# Altium PCB LAY-94611_B.PcbDoc (part 7 of 16)
Units mil, origin at the board's own origin, x right, y up, seen from the top; angles counter-clockwise.
Board outline 4133.86 x 2559.05 mil, 10 copper layers (TOP, GND02, ART03, PWR04, PWR05, ART06, GND7, ART08, GND09, BOTTOM), stack 57.82 mil thick; 1104 components, 727 nets, 3774 pads, 1630 vias.
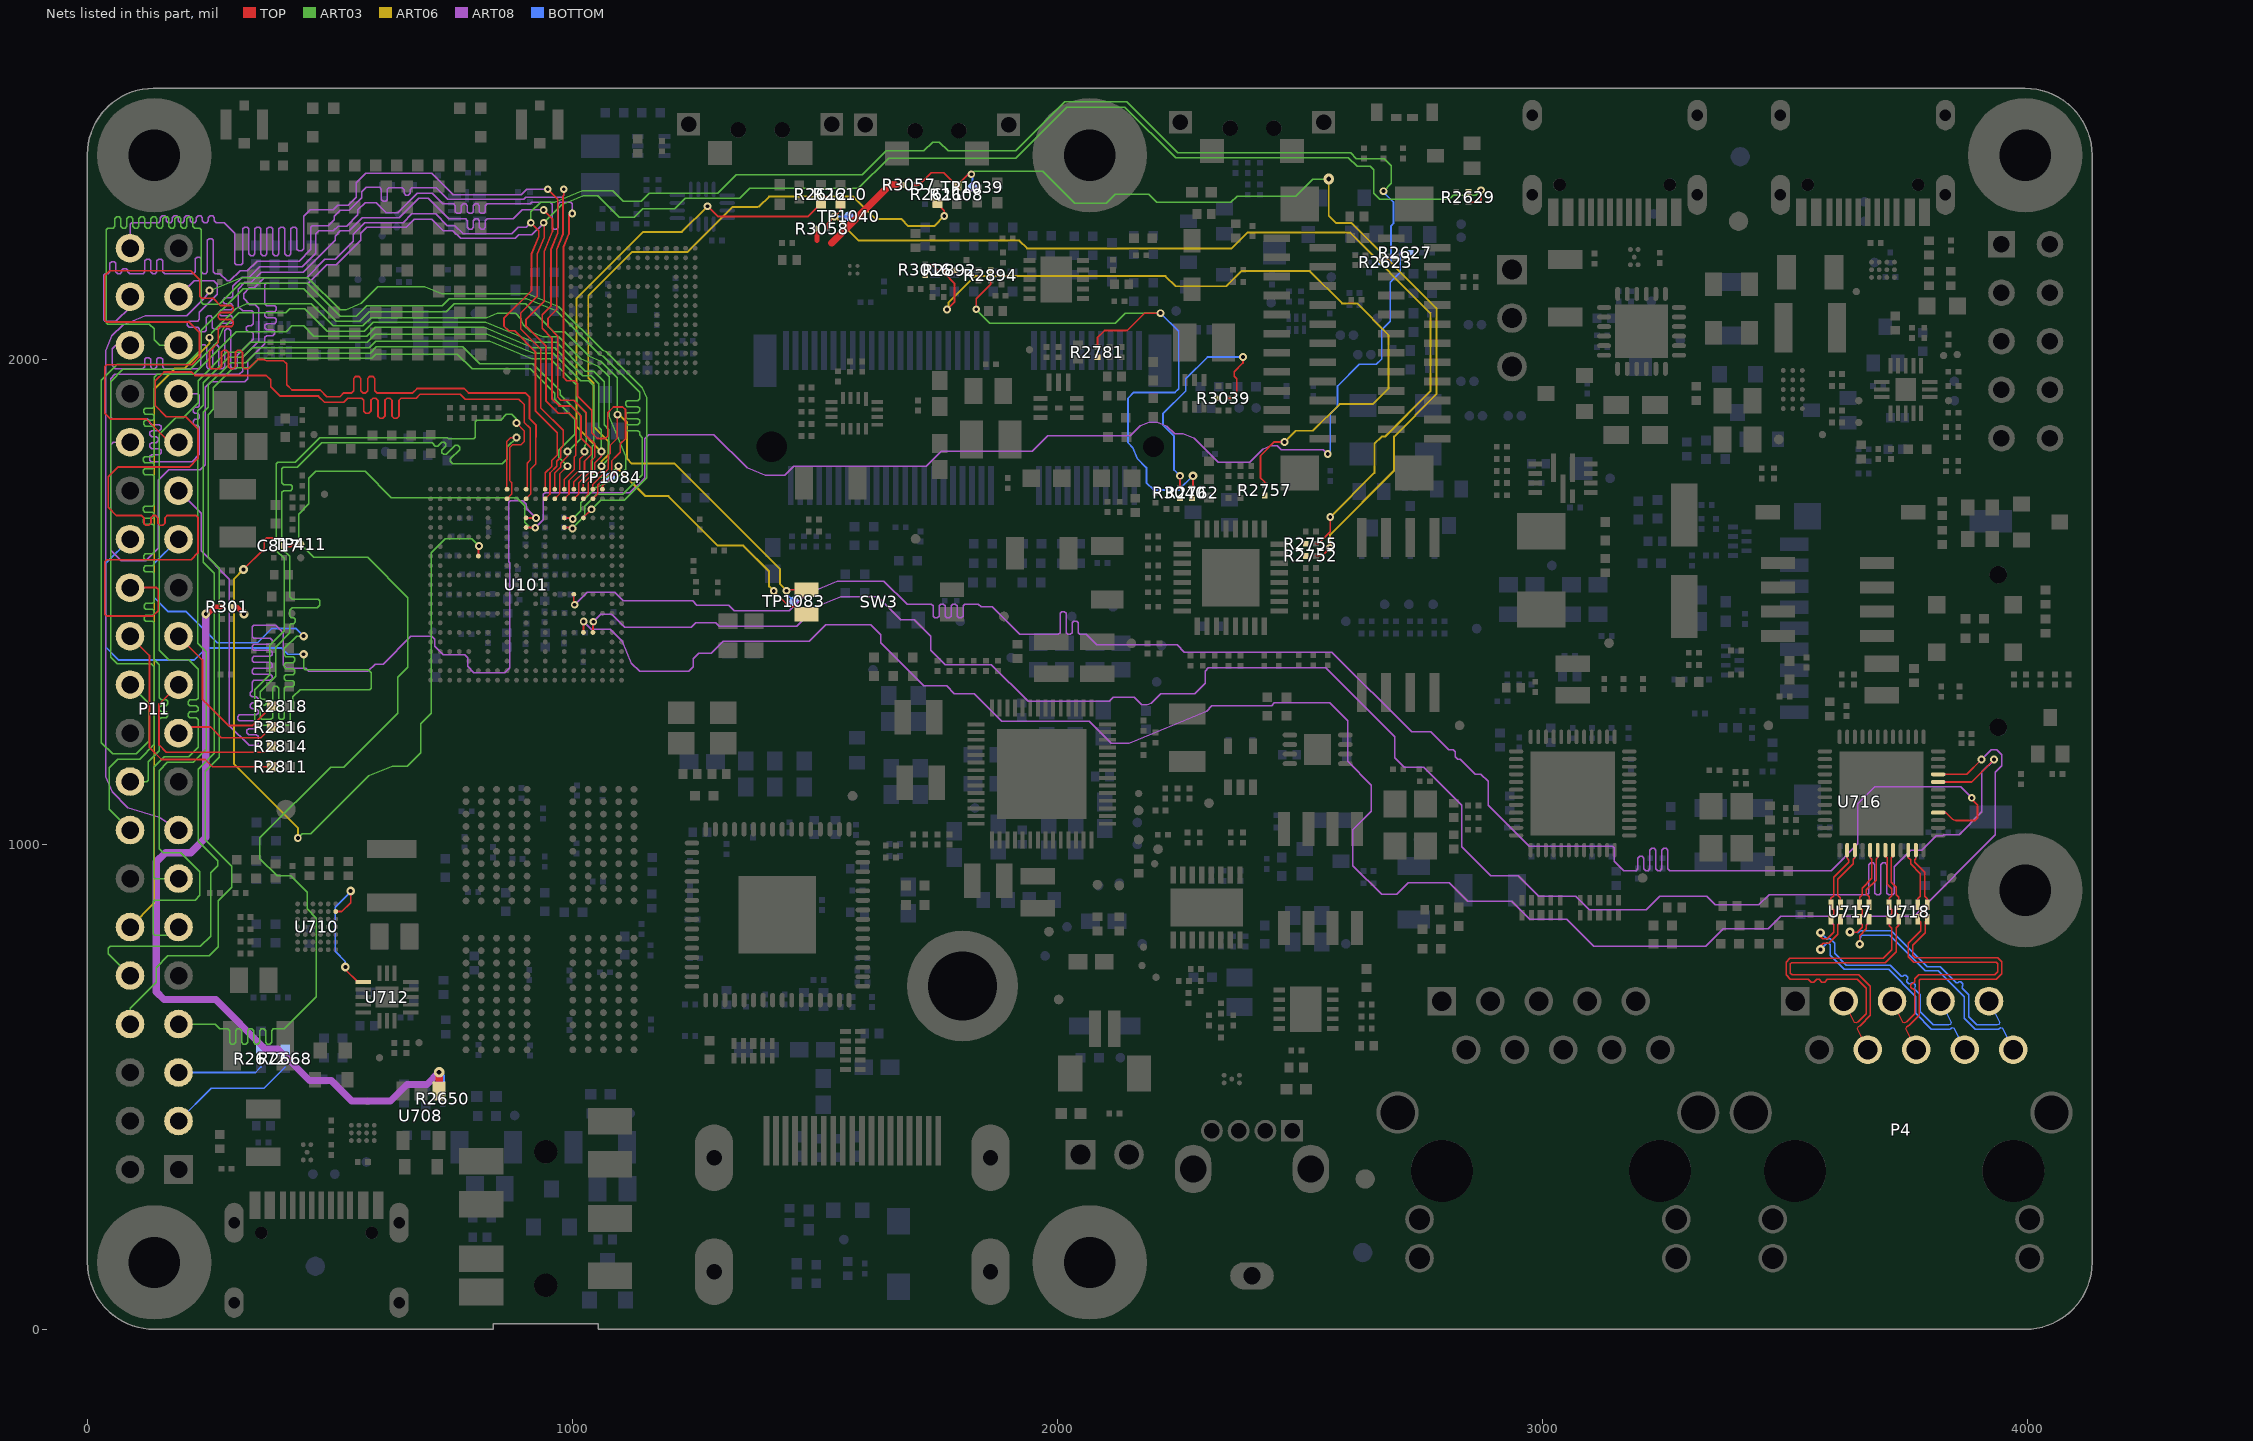
[diagram p15: the nets of this part, all layers, seen from the top]

## Via types
v1: diameter 16/16/0/0/0/0/16/0/16/16 (per signal layer), hole 8, TOP to BOTTOM, tented both sides, 177 vias
v2: diameter 22/22/0/0/0/0/22/0/22/22 (per signal layer), hole 10, TOP to BOTTOM, tented both sides, 156 vias
v3: diameter 16/0/16/0/0/0/0/0/0/16 (per signal layer), hole 8, TOP to BOTTOM, tented both sides, 137 vias
v4: diameter 16/0/0/0/0/16/0/0/0/16 (per signal layer), hole 8, TOP to BOTTOM, tented both sides, 94 vias
v5: diameter 16, hole 8, TOP to BOTTOM, tented both sides, 88 vias
v6: diameter 18/0/0/0/0/0/0/18/0/18 (per signal layer), hole 8, TOP to BOTTOM, tented both sides, 84 vias
v7: diameter 22, hole 10, TOP to BOTTOM, tented both sides, 83 vias
v8: diameter 18, hole 8.1, TOP to BOTTOM, tented both sides, 78 vias
v9: diameter 16/0/0/0/0/0/0/16/0/16 (per signal layer), hole 8, TOP to BOTTOM, tented both sides, 77 vias
v10: diameter 18/18/0/0/0/0/18/0/18/18 (per signal layer), hole 8, TOP to BOTTOM, tented both sides, 62 vias
v11: diameter 18/0/18/0/0/0/0/0/0/18 (per signal layer), hole 8, TOP to BOTTOM, tented both sides, 50 vias
v12: diameter 16/0/0/16/0/0/0/0/0/16 (per signal layer), hole 8, TOP to BOTTOM, tented both sides, 49 vias
v13: diameter 22/0/0/0/22/0/0/0/0/22 (per signal layer), hole 10, TOP to BOTTOM, tented both sides, 49 vias
v14: diameter 22/0/22/0/0/0/0/0/0/22 (per signal layer), hole 10, TOP to BOTTOM, tented both sides, 48 vias
v15: diameter 18, hole 8, TOP to BOTTOM, tented both sides, 47 vias
v16: diameter 16/0/0/0/16/0/0/0/0/16 (per signal layer), hole 8, TOP to BOTTOM, tented both sides, 40 vias
v17: diameter 22/0/0/22/0/0/0/0/0/22 (per signal layer), hole 10, TOP to BOTTOM, tented both sides, 40 vias
v18: diameter 22/0/0/0/0/0/0/22/0/22 (per signal layer), hole 10, TOP to BOTTOM, tented both sides, 31 vias
v19: diameter 22/0/0/0/0/22/0/0/0/22 (per signal layer), hole 10, TOP to BOTTOM, tented both sides, 30 vias
v20: diameter 18/0/0/0/0/18/0/0/0/18 (per signal layer), hole 8, TOP to BOTTOM, tented both sides, 27 vias
v21: diameter 16/16/16/0/0/0/0/0/0/16 (per signal layer), hole 8, TOP to BOTTOM, tented both sides, 24 vias
v22: diameter 16/0/16/0/0/16/0/0/0/16 (per signal layer), hole 8, TOP to BOTTOM, tented both sides, 14 vias
v23: diameter 22/22/0/22/0/0/22/0/22/22 (per signal layer), hole 10, TOP to BOTTOM, tented both sides, 14 vias
v24: diameter 16/16/16/0/0/0/16/0/16/16 (per signal layer), hole 8, TOP to BOTTOM, tented both sides, 11 vias
v25: diameter 18/0/0/0/0/18/0/18/0/18 (per signal layer), hole 8, TOP to BOTTOM, tented both sides, 11 vias
v26: diameter 18/0/0/18/0/0/0/0/0/18 (per signal layer), hole 8, TOP to BOTTOM, tented both sides, 11 vias
v27: diameter 18/0/0/0/18/0/0/0/0/18 (per signal layer), hole 8, TOP to BOTTOM, tented both sides, 10 vias
v28: diameter 16/0/16/0/0/0/0/16/0/16 (per signal layer), hole 8, TOP to BOTTOM, tented both sides, 8 vias
v29: diameter 16/16/0/16/0/0/16/0/16/16 (per signal layer), hole 8, TOP to BOTTOM, tented both sides, 8 vias
v30: diameter 18/18/0/18/0/0/18/0/18/18 (per signal layer), hole 8, TOP to BOTTOM, tented both sides, 6 vias
v31: diameter 22/0/0/0/22/22/0/0/0/22 (per signal layer), hole 10, TOP to BOTTOM, tented both sides, 6 vias
v32: diameter 16/0/16/16/0/0/0/0/0/16 (per signal layer), hole 8, TOP to BOTTOM, tented both sides, 5 vias
v33: diameter 18/18/0/18/18/0/18/0/18/18 (per signal layer), hole 8, TOP to BOTTOM, tented both sides, 5 vias
v34: diameter 16/0/0/0/0/16/0/16/0/16 (per signal layer), hole 8, TOP to BOTTOM, tented both sides, 4 vias
v35: diameter 22/0/22/22/0/0/0/0/0/22 (per signal layer), hole 10, TOP to BOTTOM, tented both sides, 4 vias
v36: diameter 16/0/16/16/0/16/0/0/0/16 (per signal layer), hole 8, TOP to BOTTOM, tented both sides, 3 vias
v37: diameter 22/22/0/0/22/0/22/0/22/22 (per signal layer), hole 10, TOP to BOTTOM, tented both sides, 3 vias
v38: diameter 22/0/0/22/22/22/0/0/0/22 (per signal layer), hole 10, TOP to BOTTOM, tented both sides, 3 vias
v39: diameter 22/0/22/0/0/22/0/0/0/22 (per signal layer), hole 10, TOP to BOTTOM, tented both sides, 3 vias
v40: diameter 22/0/22/0/0/0/0/22/0/22 (per signal layer), hole 10, TOP to BOTTOM, tented both sides, 3 vias
v41: diameter 16/0/16/0/16/0/0/0/0/16 (per signal layer), hole 8, TOP to BOTTOM, tented both sides, 3 vias
v42: diameter 22/22/0/22/22/0/22/0/22/22 (per signal layer), hole 10, TOP to BOTTOM, tented both sides, 2 vias
v43: diameter 18/0/18/0/0/0/0/18/0/18 (per signal layer), hole 8, TOP to BOTTOM, tented both sides, 2 vias
v44: diameter 22/0/0/22/0/22/0/0/0/22 (per signal layer), hole 10, TOP to BOTTOM, tented both sides, 2 vias
v45: diameter 22/0/0/0/0/22/0/22/0/22 (per signal layer), hole 10, TOP to BOTTOM, tented both sides, 2 vias
v46: diameter 22/0/22/0/22/0/0/0/0/22 (per signal layer), hole 10, TOP to BOTTOM, tented both sides, 2 vias
v47: diameter 22/0/0/22/22/0/0/0/0/22 (per signal layer), hole 10, TOP to BOTTOM, tented both sides, 2 vias
v48: diameter 16/0/0/16/0/16/0/0/0/16 (per signal layer), hole 8, TOP to BOTTOM, tented both sides, 1 vias
v49: diameter 18/0/18/0/0/18/0/0/0/18 (per signal layer), hole 8, TOP to BOTTOM, tented both sides, 1 vias
v50: diameter 18/18/0/0/18/0/18/0/18/18 (per signal layer), hole 8, TOP to BOTTOM, tented both sides, 1 vias
v51: diameter 16/16/0/16/16/0/16/0/16/16 (per signal layer), hole 8, TOP to BOTTOM, tented both sides, 1 vias
v52: diameter 18/0/18/0/18/0/0/0/0/18 (per signal layer), hole 8, TOP to BOTTOM, tented both sides, 1 vias
v53: diameter 18/0/0/0/18/18/0/0/0/18 (per signal layer), hole 8, TOP to BOTTOM, tented both sides, 1 vias
v54: diameter 22/0/22/0/22/22/0/22/0/22 (per signal layer), hole 10, TOP to BOTTOM, tented both sides, 1 vias
v55: diameter 22/0/0/0/22/22/0/22/0/22 (per signal layer), hole 10, TOP to BOTTOM, tented both sides, 1 vias
v56: diameter 16/16/16/0/0/0/16/0/0/16 (per signal layer), hole 8, TOP to BOTTOM, tented both sides, 1 vias
v57: diameter 22/0/0/22/0/0/0/22/0/22 (per signal layer), hole 10, TOP to BOTTOM, tented both sides, 1 vias
v58: diameter 16/0/0/0/16/16/0/0/0/16 (per signal layer), hole 8, TOP to BOTTOM, tented both sides, 1 vias
v59: diameter 16/0/0/16/16/0/0/0/0/16 (per signal layer), hole 8, TOP to BOTTOM, tented both sides, 1 vias

## Nets (pads, with @x,y where several pads share a name; then routed paths per layer and width w, separated by ;. In a path a pad name is that pad's centre, name@x,y a point inside that pad or via, vN(x,y) a via of type N, cw(c..) or ccw(c..) an arc to the next point about the centre after c; other vN are vias at no path point) (continued)
ENET2_TD3: U101.T10 U716.16 | length 4006.2
  TOP w3.62: U101.T10@1003.02,1515.8 1003.02,1495.77 v9(1004.73,1494.06) ; U716.16@3816.53,1065.63 3832.37,1065.63 3846.14,1051.86 3853.06,1049 3891.8,1049 3897.8,1055 3897.8,1081 3885.8,1093 v9(3885.8,1096)
  ART08 w3.09: v9(1004.73,1494.06) 1030.37,1519.7 1086.99,1519.7 1104.69,1502 1247.8,1502 1256.8,1493 1322.1,1493 1333.8,1481.3 1447.1,1481.3 1482,1516.2 1546.72,1543 1642.63,1543 1690.33,1495.3 1740.36,1495.3 1743.98,1491.68 1743.98,1470.62 1747.6,1467 1752.72,1467 1756.34,1470.62 1756.34,1491.68 1759.96,1495.3 1765.08,1495.3 1768.7,1491.68 1768.7,1470.62 1772.32,1467 1777.44,1467 1781.06,1470.62 1781.06,1491.68 1784.68,1495.3 1789.8,1495.3 1793.42,1491.68 1793.42,1470.62 1797.04,1467 1802.16,1467 1805.78,1470.62 1805.78,1491.68 1809.4,1495.3 1837.5,1495.3 1842.8,1490 1865.8,1490 1922.78,1433.02 2002.19,1433.02 2005.81,1436.64 2005.81,1476.38 2009.43,1480 2014.55,1480 2018.17,1476.38 2018.17,1436.64 2021.79,1433.02 2026.91,1433.02 2030.53,1436.64 2030.53,1456.91 2033.62,1460 2039.8,1460 2042.89,1456.91 2042.89,1436.64 2046.51,1433.02 2059.78,1433.02 2081.38,1411.42 2247.38,1411.42 2262.2,1396.6 2566.2,1396.6 2730.8,1232 2769.8,1232 2806.8,1195 2817,1195 2820.64,1191.36 2820.64,1181.16 2825.8,1176 2830.8,1176 2861.8,1145 2873.6,1145 2888.8,1129.8 2888.8,1080.25 2973.25,995.8 3145.7,995.8 3148.8,992.7 3148.8,965.69 3168.49,946 3193.72,946 3197.34,949.62 3197.34,971.38 3200.96,975 3206.08,975 3209.7,971.38 3209.7,949.62 3213.32,946 3218.44,946 3222.06,949.62 3222.06,988.38 3225.68,992 3230.8,992 3234.42,988.38 3234.42,949.62 3238.04,946 3243.16,946 3246.78,949.62 3246.78,988.38 3250.4,992 3255.52,992 3259.14,988.38 3259.14,949.62 3262.76,946 3595.8,946 3650.8,1001 3650.8,1084.01 3685.79,1119 3862.8,1119 v9(3885.8,1096)
ENET2_TRXN0: P4.8 U716.3 U717.2 U717.9 | length 687.9
  TOP w2.79: v15(3573.8,783) 3573.8,791 3579.05,796.25 3591.05,796.25 3609.8,815 3609.8,834 3615.11,839.31 U717.2@3615.11,845.51 3615.11,852.69 3609.64,858.16 3609.64,863.85 3615.11,869.32 U717.9@3615.11,875.83 3615.11,889.7 3609.64,895.17 3609.64,928.46 3641.18,960 3641.18,969.38 3644.68,972.88 U716.3@3644.68,988.27
  BOTTOM w2.79: v15(3573.8,783) 3586.9,796.1 3590.85,796.1 3594,792.95 3594,771.35 3623.15,742.2 3714.15,742.2 3770.3,686.05 3770.3,651.35 3802.77,618.88 3840.55,618.88 3845.88,621.54 3849.65,620.31 P4.8@3871.47,576.77
ENET2_TRXN1: P4.10 U716.6 U717.5 U717.6 | length 685
  TOP w2.79: v15(3654.8,794.24) 3654.8,811.62 3668.7,825.52 3668.7,832.89 3674.17,838.36 U717.5@3674.17,845.51 3674.17,853.63 3668.7,859.1 3668.7,863.89 3674.17,869.36 U717.6@3674.17,875.83 3674.17,891.62 3668.55,897.24 3668.55,906.37 3688.43,926.25 3688.43,969.62 3691.93,973.12 U716.6@3691.93,988.27
  BOTTOM w2.79: v15(3654.8,794.24) 3656.6,810.52 3656.72,810.64 3659.69,813.01 3716.34,813.01 3790.15,739.2 3817.15,739.2 3870.3,686.05 3870.3,641.35 3892.77,618.88 3940.55,618.88 3945.88,621.54 3949.65,620.31 P4.10@3971.47,576.77
ENET2_TRXN2: P4.4 U716.8 U718.2 U718.9 | length 795
  TOP w2.79: 3655.41,626.34 3656.71,626.99 3676.85,647.13 3676.85,706.94 3653.06,730.73 3515.52,730.73 3511.73,734.52 3511.73,753.41 3514.52,756.2 3707,756.2 3729.64,778.84 3729.64,827.85 3735.11,833.32 U718.2@3735.11,845.51 3735.11,853.63 3729.64,859.1 3729.64,863.89 3735.11,869.36 U718.9@3735.11,875.83 3735.11,890.69 3729.8,896 3729.8,912 3719.92,921.88 3719.92,972.12 3723.42,975.62 U716.8@3723.42,988.27 ; 3655.43,626.31 3651.36,624.27 3651.31,624.25 3649.87,619.95 P4.4@3671.47,576.77
ENET2_TRXN3: P4.6 U716.11 U718.5 U718.6 | length 795.6
  TOP w2.79: U716.11@3770.67,988.27 3770.67,970.26 3768.41,968 3768.41,963.39 3788.8,943 3788.8,893 3794.17,887.63 U718.6@3794.17,875.83 3794.17,869.36 3788.7,863.89 3788.7,859.1 3794.17,853.63 U718.5@3794.17,845.51 3789.55,840.89 3789.55,817.75 3763.8,792 3763.8,771.79 3769.59,766 3939.46,766 3947.8,757.66 3947.8,733.34 3936.66,722.2 3779.89,722.2 3777.1,719.41 3777.1,647.37 3756.72,626.99 3751.33,624.31 3749.87,619.95 P4.6@3771.47,576.77
ENET2_TRXP0: P4.7 U716.2 U717.1 U717.10 | length 687.4
  TOP w2.79: v15(3573.8,818) 3573.8,810 3578.8,805 3587.42,805 3601.05,818.63 3601.05,833.76 3595.43,839.38 U717.1@3595.43,845.51 3595.43,850.63 3600.89,856.09 3600.89,863.91 3595.43,869.37 U717.10@3595.43,875.83 3595.43,888.63 3600.89,894.09 3600.89,932.09 3632.43,963.63 3632.43,967.38 3628.93,970.88 U716.2@3628.93,988.27
  BOTTOM w2.79: v15(3573.8,818) 3586.9,804.9 3594.5,804.9 3602.8,796.6 3602.8,775 3626.8,751 3717.8,751 3740.26,728.54 3744.2,728.54 3745.76,730.1 3749.7,730.1 3753.66,726.14 3753.66,722.2 3752.1,720.64 3752.1,716.7 3756.06,712.74 3760,712.74 3761.56,714.3 3765.5,714.3 3769.46,710.34 3769.46,706.4 3767.9,704.84 3767.9,700.9 3779.1,689.7 3779.1,655 3806.42,627.68 3838.47,627.68 3842.03,629.46 3843.29,633.2 P4.7@3821.47,676.77
ENET2_TRXP1: P4.9 U716.5 U717.4 U717.7 | length 684.8
  TOP w2.79: v15(3634.8,819.24) 3635.04,819 3649.8,819 3659.95,829.15 3659.95,833.85 3654.48,839.32 U717.4@3654.48,845.51 3654.48,851.67 3659.95,857.14 3659.95,864.85 3654.48,870.32 U717.7@3654.48,875.83 3654.48,890.68 3659.8,896 3659.8,910 3679.68,929.88 3679.68,969.12 3676.18,972.62 U716.5@3676.18,988.27
  BOTTOM w2.79: v15(3634.8,819.24) 3651.12,817.43 3654.2,819.89 3656.6,821.81 3719.99,821.81 3793.8,748 3820.8,748 3853.89,714.91 3857.83,714.91 3859.39,716.47 3863.33,716.47 3867.29,712.51 3867.29,708.57 3865.73,707.01 3865.73,703.07 3879.1,689.7 3879.1,645 3896.42,627.68 3938.47,627.68 3942.03,629.46 3943.29,633.2 P4.9@3921.47,676.77
ENET2_TRXP2: P4.3 U716.7 U718.1 U718.10 | length 794.8
  TOP w2.79: P4.3@3621.47,676.77 3643.06,633.58 3647.42,632.14 3651.49,634.18 3651.5,634.23 3668.05,650.78 3668.05,703.29 3649.41,721.93 3588.1,721.93 3582.17,716 3576.94,716 3571.01,721.93 3565.78,721.93 3559.85,716 3554.62,716 3548.69,721.93 3511.87,721.93 3502.93,730.87 3502.93,757.06 3510.87,765 3703.35,765 3720.84,782.49 3720.84,826.96 3715.43,832.37 U718.1@3715.43,845.51 3715.43,851.68 3720.89,857.14 3720.89,864.85 3715.43,870.31 U718.10@3715.43,875.83 3715.43,888.63 3721.05,894.25 3721.05,908.37 3711.17,918.25 3711.17,972.62 3707.67,976.12 U716.7@3707.67,988.27
ENET2_TRXP3: P4.5 U716.10 U718.4 U718.7 | length 796.2
  TOP w2.79: P4.5@3721.47,676.77 3743.06,633.58 3747.42,632.14 3751.5,634.18 3751.51,634.23 3768.3,651.02 3768.3,699.15 3765.03,702.42 3763.27,702.42 3760,705.69 3760,710.31 3763.27,713.58 3765.03,713.58 3768.3,716.85 3768.3,723.06 3776.24,731 3933.01,731 3939,736.99 3939,754.01 3935.81,757.2 3765.94,757.2 3755,768.14 3755,795.65 3780.75,821.4 3780.75,839.24 U718.4@3774.48,845.51 3774.48,851.67 3779.95,857.14 3779.95,864.85 3774.48,870.32 U718.7@3774.48,875.83 3774.48,887.43 3780.05,893 3780.05,939.37 3759.66,959.76 3759.66,968.13 3754.92,972.87 U716.10@3754.92,988.27
ENET2_TX_CTL: U101.V6 U716.20 | length 4004.9
  TOP w3.62: U101.V6@1042.39,1437.06 1042.39,1458.25 v9(1043.25,1459.11) ; U716.20@3816.53,1128.62 3885.42,1128.62 v9(3931.8,1175)
  ART08 w3.09: v9(1043.25,1459.11) 1058.44,1474.3 1081.5,1474.3 1107.8,1448 1245.23,1448 1254.33,1457.1 1295.77,1457.1 1302.77,1450.1 1462.9,1450.1 1502.8,1490 1553.75,1511.1 1629.41,1511.1 1677.11,1463.4 1705.11,1463.4 1739.2,1429.31 1739.2,1400.69 1769.29,1370.6 1864.17,1370.6 1939.97,1294.8 2107.6,1294.8 2115.8,1303 2158.8,1303 2173.8,1288 2185.97,1288 2194.22,1291.42 2213.8,1311 2283.8,1311 2304.8,1332 2304.8,1357 2311.8,1364 2553.8,1364 2695.8,1222 2695.8,1179 2715.8,1159 2755.8,1159 2833.8,1081 2833.8,995 2893.8,935 2950.8,935 2992.8,893 3068.8,893 3096.8,865 3214.8,865 3242.8,893 3338.8,893 3356.8,875 3446.8,875 3467.8,896 3669.98,896 3673.6,899.62 3673.6,958.38 3677.22,962 3682.34,962 3685.96,958.38 3685.96,899.62 3689.58,896 3694.7,896 3698.32,899.62 3698.32,958.38 3701.94,962 3707.06,962 3710.68,958.38 3710.68,899.62 3714.3,896 3722.71,896 3725.8,899.09 3725.8,954 3759.8,988 3782.8,988 3812.8,1018 3825.79,1018 3827.79,1020 3859.99,1020 3906.8,1066.81 3906.8,1150 v9(3931.8,1175)
ENET2_TXC: U101.U6 U716.21 | length 4018.3
  TOP w3.62: U101.U6@1022.71,1437.06 1022.71,1458.88 v9(1023.25,1459.42) ; U716.21@3816.53,1144.37 3875.17,1144.37 v9(3905.8,1175)
  ART08 w3.09: v9(1023.25,1459.42) 1038.67,1444 1077.8,1444 1103.33,1418.47 1121.8,1373.89 1138.69,1357 1239.8,1357 1248.8,1366 1248.8,1383 1260.4,1394.6 1286.53,1394.6 1310.83,1418.9 1488.7,1418.9 1522.8,1453 1614.8,1453 1635.8,1432 1635.8,1416.12 1724.86,1327.06 1771.74,1327.06 1787.8,1311 1828.8,1311 1885.8,1254 2065.8,1254 2110.8,1209 2148.61,1209 2307.72,1274.93 2318.79,1286 2441.8,1286 2447.8,1292 2561.8,1292 2598.8,1255 2598.8,1171 2647.8,1122 2647.8,1068 2609.8,1030 2609.8,956 2668.8,897 2699.8,897 2723.8,921 2807.8,921 2846.14,882.66 2937.14,882.66 2973.8,846 3050.8,846 3106.8,790 3337.24,790 3373.24,826 3465.8,826 3491.8,852 3766.99,852 3934.65,1019.66 3934.65,1148.85 3947.8,1162 3947.8,1185 3937.8,1195 3925.8,1195 v9(3905.8,1175)
EXP_BTN1: R2608.2 R2752.2 R3057.2 TP1039.1 | length 2175
  TOP w3.62: 1705.51,2360 1715,2360 1740,2385 1765.96,2385 R2608.2@1792.76,2358.2 1816.56,2382 v3(1822.8,2382) ; 2533.31,1595 2546.1,1595 v20(2562.8,1611.7)
  TOP w10: 1665,2360 R3057.2@1684.49,2360
  TOP w15: 1535,2240 1655,2360 1665,2360
  ART03 w3.09: v3(1822.8,2382) 1828.8,2388 1969.8,2388 2035.8,2322 2100.8,2322 2119.3,2340.5 2188.3,2340.5 2204.8,2324 2357.8,2324 2370.8,2337 2491.8,2337 2526.8,2372 v39(2559.8,2372)
  ART06 w4: v39(2559.8,2372) 2559.8,2296 2574.8,2281 2606.8,2281 2781.8,2106 2781.8,1928 2694.8,1841 2694.8,1771 2562.8,1639 v20(2562.8,1611.7)
  BOTTOM w3.62: v3(1822.8,2382) 1825,2379.8 TP1039.1@1825,2355
EXP_BTN2: R2610.2 R2755.2 R3058.2 TP1040.1 | length 2035.1
  TOP w3.62: 1525.51,2270 1525.51,2279.71 v4(1540.8,2295) 1552.84,2307.04 R2610.2@1552.84,2321.8 ; 2533.31,1620 2537.8,1620 2562.8,1645 v4(2562.8,1675)
  TOP w10: 1504.49,2245.51 R3058.2@1504.49,2270
  ART06 w4: v4(1540.8,2295) 1590.8,2245 1921.8,2245 1937.8,2229 2359.8,2229 2392.8,2262 2602.8,2262 2769.3,2095.5 2769.3,1934.5 2675.8,1841 2669.12,1841 2653.8,1825.68 2653.8,1766 v4(2562.8,1675)
  BOTTOM w3.62: v4(1540.8,2295) TP1040.1@1570,2295
EXP_GPIO_IO00: P11.27 U101.J21 | length 2483.3
  TOP w3.2: U101.J21@865.23,1732.34 864.23,1733.34 864.23,1830.42 872.81,1839 v3(885.01,1839)
  ART03 w3.09: v11(445.8,1429.45) 431.24,1429.45 405.8,1404.01 405.8,1390.97 409.42,1387.35 424.18,1387.35 427.8,1383.73 427.8,1378.61 424.18,1374.99 409.42,1374.99 405.8,1371.37 405.8,1366.25 409.42,1362.63 424.18,1362.63 427.8,1359.01 427.8,1353.89 424.18,1350.27 409.42,1350.27 405.8,1346.65 405.8,1341.53 409.42,1337.91 423.18,1337.91 426.8,1334.29 426.8,1329.17 423.18,1325.55 409.42,1325.55 405.8,1321.93 405.8,1261 402.8,1258 397.83,1258 394.21,1261.62 394.21,1322.38 390.59,1326 385.47,1326 381.85,1322.38 381.85,1261.62 378.23,1258 359.11,1258 356.02,1261.09 356.02,1283.05 359.64,1286.67 365.38,1286.67 369,1290.29 369,1295.41 365.38,1299.03 359.64,1299.03 356.02,1302.65 356.02,1315.22 387.8,1347 387.8,1407 416.8,1436 416.8,1451.56 420.42,1455.18 425.18,1455.18 428.8,1458.8 428.8,1463.92 425.18,1467.54 420.42,1467.54 416.8,1471.16 416.8,1482.8 422,1488 474,1488 479,1493 479,1501.91 475.91,1505 421.97,1505 416.8,1510.17 416.8,1594 400.8,1610 400.8,1725.96 404.42,1729.58 419.18,1729.58 422.8,1733.2 422.8,1738.32 419.18,1741.94 404.42,1741.94 400.8,1745.56 400.8,1774.9 403.9,1778 433.09,1778 483.09,1828 710.8,1828 717.28,1821.52 722.4,1821.52 730.28,1829.4 735.4,1829.4 739.02,1825.78 739.02,1820.66 731.14,1812.78 731.14,1807.66 734.76,1804.04 739.88,1804.04 758.76,1822.92 763.88,1822.92 767.5,1819.3 767.5,1814.18 748.62,1795.3 748.62,1790.18 753.8,1785 855.8,1785 866,1795.2 866,1819.99 v3(885.01,1839)
  BOTTOM w3.62: P11.27@187.8,1629.53 137.8,1579.53 137.8,1509 166.8,1480 203.8,1480 267.8,1416 350.56,1416 379.6,1445.04 430.21,1445.04 v11(445.8,1429.45)
EXP_GPIO_IO01: P11.28 U101.J20 | length 2513.9
  TOP w3.2: U101.J20@865.23,1712.66 875.16,1722.59 875.16,1745.64 871.3,1749.5 871.3,1818.8 876.5,1824 893.8,1824 900.8,1831 900.8,1852.5 v3(884.55,1868.75)
  ART03 w3.09: v11(445.8,1392) 445.8,1363.1 448.9,1360 578.99,1360 584.8,1354.19 584.8,1322.09 581.71,1319 438.8,1319 423.8,1304 423.8,1279.09 417.8,1273.09 417.8,1249.09 414.71,1246 347.59,1246 344.5,1249.09 344.5,1318.7 375.8,1350 375.8,1411 405.8,1441 405.8,1590 389.8,1606 389.8,1785.31 392.89,1788.4 428.78,1788.4 479.38,1839 741.8,1839 744.8,1836 796.71,1836 799.8,1839.09 799.8,1871.91 802.89,1875 851.8,1875 863.8,1887 874.8,1887 884.55,1877.25 v3(884.55,1868.75)
  BOTTOM w3.62: P11.28@87.8,1629.53 37.8,1579.53 37.8,1407 64.8,1380 219.8,1380 244.84,1405.04 399.97,1405.04 413.01,1392 v11(445.8,1392)
EXP_GPIO_IO02: P11.3 R2668.2 | length 266
  BOTTOM w3.62: P11.3@187.8,429.53 255.27,497 363.96,497 407.76,540.8
EXP_GPIO_IO03: P11.5 R2672.2 | length 174.6
  BOTTOM w3.62: P11.5@187.8,529.53 346.49,529.53 357.76,540.8
EXP_GPIO_IO04: P11.7 R2627.1 U101.L17 | length 4952.3
  TOP w3.62: U101.L17@904.6,1653.6 922.84,1653.6 v28(923.42,1653.02)
  ART03 w3.09: P11.7@187.8,629.53 263.27,629.53 273.2,619.6 289.75,619.6 293.37,615.98 293.37,591.62 296.99,588 302.11,588 305.73,591.62 305.73,615.98 309.35,619.6 314.47,619.6 318.09,615.98 318.09,591.62 321.71,588 326.83,588 330.45,591.62 330.45,615.98 334.07,619.6 339.19,619.6 342.81,615.98 342.81,591.62 346.43,588 351.55,588 355.17,591.62 355.17,615.98 358.79,619.6 363.91,619.6 367.53,615.98 367.53,591.62 371.15,588 376.27,588 379.89,591.62 379.89,615.98 383.51,619.6 405.39,619.6 471.8,686.01 471.8,848 452.8,867 452.8,901.71 419.61,934.9 391.32,934.9 355.6,970.62 355.6,1013.38 501.51,1159.29 529.01,1159.29 639.8,1270.08 639.8,1344.62 660.8,1365.62 660.8,1509 577.8,1592 466.8,1592 435.3,1623.5 435.3,1680.5 456.8,1702 456.8,1755 470.8,1769 572.8,1769 626.8,1715 884.81,1715 901.8,1698.01 901.8,1664 912.78,1653.02 v28(923.42,1653.02)
  ART08 w3.09: v28(923.42,1653.02) 940.2,1669.8 940.2,1721.6 943.6,1725 1118.8,1725 1148.8,1755 1148.8,1836 1157.8,1845 1291.8,1845 1360.31,1776.49 1397.7,1761 1437.8,1761 1456.8,1780 1729.8,1780 1760.8,1811 1948.82,1811 1980.82,1843 2150.8,1843 2170.85,1863.05 2190.05,1871 2206.14,1871 2226.04,1862.76 2241.8,1847 2259.73,1847 2282.01,1837.77 2331.78,1788 2396.8,1788 2423.96,1815.16 2440.49,1822 2453.8,1822 2461.8,1814 2548.8,1814 v9(2557.8,1805)